# KiCad board FPGA_dev_board.kicad_pcb (continued)
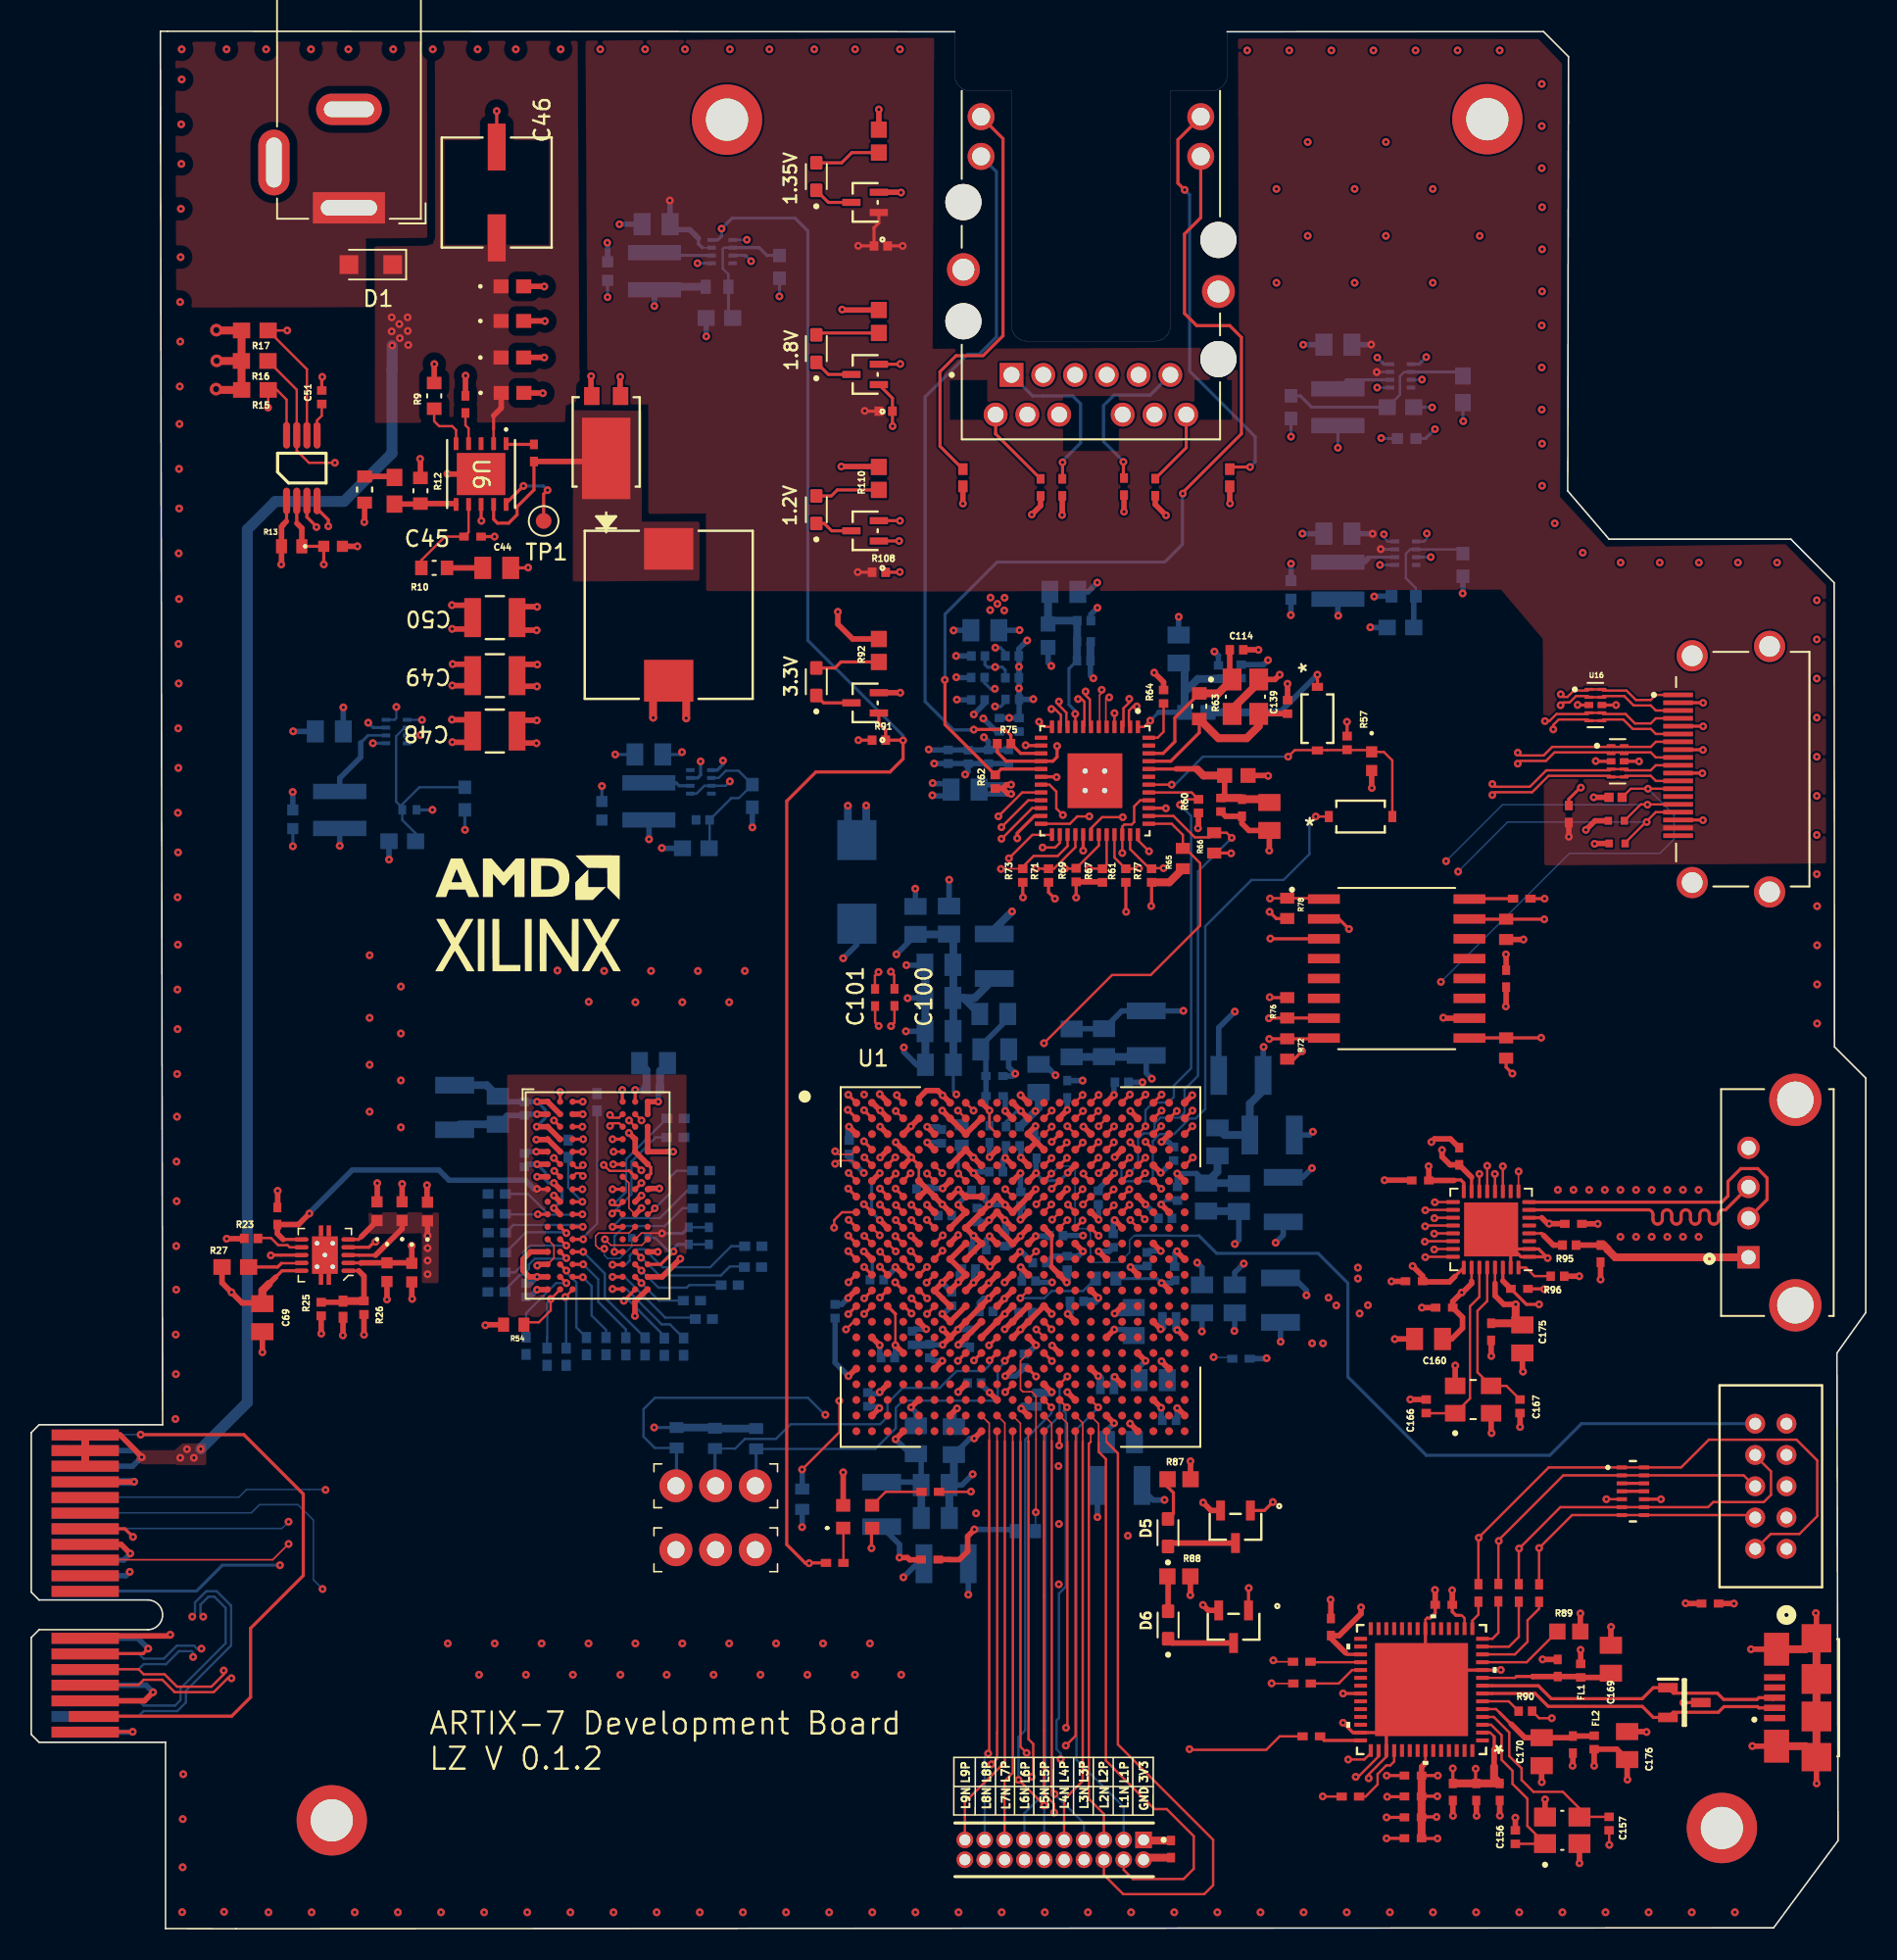
[diagram p0: board, top side]
## Routing (per net, layer and track width the routed paths; a pad name or vN(x,y) marks a point on that pad's centre or on a via; arc(x,y) is an arc through that point) (continued)
DDR3_CKE: length 60.9
  Top w0.15: v1(54.29,43.28) 54.77,42.81 U1.L3 ; v1(39.88,46.06) 39.5,45.68 U9.K9
  In4_VCC.Cu w0.15: v1(54.29,43.28) 54.58,43
  In5.Cu w0.1: v1(54.29,43.28) 53.86,43.72 52.89,43.72 52.74,43.57 52.74,42.88 52.51,42.65 52.06,42.65 51.41,43.3 51.41,44.2 50.89,44.72 arc(50.77,44.77) 50.64,44.72 50.4,44.48 arc(50.28,44.43) 50.16,44.48 arc(50.1,44.6) 50.16,44.73 50.81,45.38 arc(50.86,45.51) 50.81,45.63 arc(50.69,45.68) 50.56,45.63 49.8,44.87 arc(49.68,44.82) 49.56,44.87 arc(49.5,44.99) 49.56,45.12 50.32,45.88 arc(50.37,46) 50.32,46.13 arc(50.19,46.18) 50.07,46.13 49.31,45.36 arc(49.18,45.31) 49.06,45.36 arc(49.01,45.49) 49.06,45.61 49.82,46.37 arc(49.87,46.5) 49.82,46.62 arc(49.7,46.67) 49.57,46.62 48.81,45.86 arc(48.69,45.81) 48.57,45.86 arc(48.51,45.98) 48.57,46.11 49.33,46.87 arc(49.38,46.99) 49.33,47.12 arc(49.2,47.17) 49.08,47.12 48.32,46.35 arc(48.19,46.3) 48.07,46.35 arc(48.02,46.48) 48.07,46.6 48.83,47.36 arc(48.88,47.49) 48.83,47.61 arc(48.71,47.66) 48.58,47.61 47.82,46.85 arc(47.7,46.8) 47.58,46.85 arc(47.52,46.97) 47.58,47.1 48.34,47.86 arc(48.39,47.98) 48.34,48.11 arc(48.21,48.16) 48.09,48.11 47.33,47.34 arc(47.2,47.29) 47.08,47.34 arc(47.03,47.47) 47.08,47.59 47.84,48.35 arc(47.89,48.48) 47.84,48.6 arc(47.72,48.65) 47.59,48.6 46.83,47.84 arc(46.71,47.79) 46.59,47.84 arc(46.53,47.96) 46.59,48.09 47.35,48.85 arc(47.4,48.97) 47.35,49.1 arc(47.22,49.15) 47.1,49.1 46.93,48.93 arc(46.83,48.88) 46.72,48.9 46.4,49.21 46.38,49.21 46.38,49.21 46.01,49.21 arc(45.92,49.28) 45.89,49.38 45.89,49.52 arc(45.83,49.65) 45.71,49.7 arc(45.59,49.65) 45.53,49.52 45.53,48.55 arc(45.48,48.42) 45.36,48.37 arc(45.24,48.42) 45.19,48.55 45.19,49.52 arc(45.13,49.65) 45.01,49.7 arc(44.89,49.65) 44.83,49.52 44.83,48.55 arc(44.78,48.42) 44.66,48.37 arc(44.54,48.42) 44.48,48.55 44.48,49.52 arc(44.43,49.65) 44.31,49.7 arc(44.19,49.65) 44.14,49.52 44.14,48.55 arc(44.08,48.42) 43.96,48.37 arc(43.84,48.42) 43.78,48.55 43.78,49.52 arc(43.73,49.65) 43.61,49.7 arc(43.49,49.65) 43.44,49.52 43.44,48.55 arc(43.38,48.42) 43.26,48.37 arc(43.14,48.42) 43.08,48.55 43.08,49.52 arc(43.03,49.65) 42.91,49.7 arc(42.79,49.65) 42.73,49.52 42.73,48.55 arc(42.68,48.42) 42.56,48.37 arc(42.44,48.42) 42.39,48.55 42.39,49.52 arc(42.33,49.65) 42.21,49.7 arc(42.09,49.65) 42.03,49.52 42.03,48.55 arc(41.98,48.42) 41.86,48.37 arc(41.74,48.42) 41.69,48.55 41.69,49.03 arc(41.63,49.16) 41.51,49.21 40.91,49.21 39.77,48.07 39.77,46.17 v1(39.88,46.06)
  Bottom w0.15: v1(39.88,46.06) 40.86,47.04 40.86,48.05 41.28,48.47 R47.2
DDR3_CS: length 5
  Top w0.2: U9.L2 v1(34.22,44.48)
  Bottom w0.15: v1(34.22,44.48) 34.17,44.53 31.63,44.53 R49.2
DDR3_DQ0: length 37.1
  Top w0.2: U9.E3 v1(35.28,49.68) ; 54.8,46.8 v1(54.28,47.32)
  In2.Cu w0.1: v1(35.28,49.68) 36.2,49.68 36.6,50.08 41.64,50.08 42.24,49.48 42.24,46.7 42.28,46.66 arc(42.41,46.6) 42.53,46.66 42.53,46.65 42.85,46.97 arc(42.97,47.02) 43.1,46.97 arc(43.15,46.85) 43.1,46.73 42.32,45.95 arc(42.27,45.82) 42.32,45.7 arc(42.44,45.65) 42.57,45.7 43.66,46.8 arc(43.79,46.85) 43.91,46.8 arc(43.96,46.67) 43.91,46.55 43.27,45.91 arc(43.22,45.79) 43.27,45.67 43.44,45.5 43.84,45.5 arc(43.96,45.45) 44.02,45.32 44.02,45.28 arc(44.07,45.15) 44.19,45.1 arc(44.31,45.15) 44.36,45.28 44.36,45.78 arc(44.42,45.9) 44.54,45.95 arc(44.66,45.9) 44.72,45.78 44.72,45.28 arc(44.77,45.15) 44.89,45.1 arc(45.01,45.15) 45.06,45.28 45.06,45.78 arc(45.12,45.9) 45.24,45.95 arc(45.36,45.9) 45.42,45.78 45.42,45.28 arc(45.47,45.15) 45.59,45.1 arc(45.71,45.15) 45.77,45.28 45.77,45.78 arc(45.82,45.9) 45.94,45.95 arc(46.06,45.9) 46.11,45.78 46.11,45.28 arc(46.17,45.15) 46.29,45.1 arc(46.41,45.15) 46.47,45.28 46.47,45.78 arc(46.52,45.9) 46.64,45.95 arc(46.76,45.9) 46.81,45.78 46.81,45.28 arc(46.87,45.15) 46.99,45.1 arc(47.11,45.15) 47.17,45.28 47.17,45.78 arc(47.22,45.9) 47.34,45.95 arc(47.46,45.9) 47.52,45.78 47.52,45.28 arc(47.57,45.15) 47.69,45.1 arc(47.81,45.15) 47.86,45.28 47.86,45.32 arc(47.92,45.45) 48.04,45.5 48.29,45.5 49.66,46.87 52.98,46.87 53.43,47.32 v1(54.28,47.32)
DDR3_DQ1: length 37.1
  Top w0.2: v1(37.22,48.88) U9.F7 ; 56.82,44.78 v1(56.29,45.31)
  In2.Cu w0.1: v1(37.22,48.88) 36.85,49.25 34.99,49.25 34.63,48.89 34.63,48.13 35.08,47.68 35.67,47.68 36.75,46.6 36.75,44.59 38.05,43.29 38.05,40.79 40.59,38.25 47.53,38.25 52.16,42.88 53.29,42.88 arc(53.36,42.85) 53.39,42.78 arc(53.42,42.71) 53.49,42.68 53.59,42.68 arc(53.66,42.71) 53.69,42.78 arc(53.72,42.85) 53.79,42.88 54.51,42.88 54.8,43.17 54.8,43.54 55.05,43.79 55.42,43.79 55.75,44.12 55.75,44.77 v1(56.29,45.31)
DDR3_DQ2: length 37.2
  Top w0.2: 55.8,46.8 v1(55.28,47.32) ; U9.F2 v1(33.42,49.28)
  In2.Cu w0.1: v1(55.28,47.32) 55.27,47.32 54.81,47.78 54.81,48.54 55.07,48.8 55.42,48.8 55.84,49.22 55.84,53.53 52.98,56.39 37.45,56.39 32.86,51.8 32.86,49.84 v1(33.42,49.28)
DDR3_DQ3: length 37.2
  Top w0.2: 52.8,44.8 v1(52.28,45.32) ; 38.62,48.89 v1(39.02,48.49)
  In2.Cu w0.1: v1(39.02,48.49) 39.71,47.8 39.71,47.05 40.39,46.37 40.39,45.25 39.94,44.8 39.94,44.14 40.67,43.41 40.67,42.74 40.75,42.66 arc(40.79,42.55) 40.75,42.45 40.04,41.74 arc(40,41.63) 40.04,41.53 arc(40.15,41.48) 40.26,41.53 40.96,42.24 arc(41.07,42.28) 41.17,42.24 arc(41.22,42.13) 41.17,42.02 40.47,41.32 arc(40.42,41.21) 40.47,41.1 arc(40.57,41.06) 40.68,41.1 41.39,41.81 arc(41.49,41.86) 41.6,41.81 arc(41.64,41.71) 41.6,41.6 40.89,40.89 arc(40.85,40.79) 40.89,40.68 arc(41,40.64) 41.1,40.68 41.81,41.39 arc(41.92,41.43) 42.02,41.39 arc(42.07,41.28) 42.02,41.18 41.32,40.47 arc(41.27,40.36) 41.32,40.26 arc(41.42,40.21) 41.53,40.26 42.23,40.96 arc(42.34,41.01) 42.45,40.96 arc(42.49,40.86) 42.45,40.75 41.74,40.04 arc(41.7,39.94) 41.74,39.83 arc(41.85,39.79) 41.95,39.83 42.66,40.54 arc(42.77,40.58) 42.87,40.54 43.27,40.14 43.29,40.14 arc(43.41,40.09) 43.47,39.97 43.47,39.75 arc(43.52,39.62) 43.64,39.57 arc(43.76,39.62) 43.81,39.75 43.81,39.97 arc(43.87,40.09) 43.99,40.14 arc(44.11,40.09) 44.17,39.97 44.17,39.75 arc(44.22,39.62) 44.34,39.57 arc(44.46,39.62) 44.52,39.75 44.52,39.97 arc(44.57,40.09) 44.69,40.14 arc(44.81,40.09) 44.86,39.97 44.86,39.75 arc(44.92,39.62) 45.04,39.57 arc(45.16,39.62) 45.22,39.75 45.22,39.97 arc(45.27,40.09) 45.39,40.14 46.07,40.14 51.25,45.32 v1(52.28,45.32)
DDR3_DQ4: length 37.2
  Top w0.2: 56.82,45.76 v1(56.29,46.28) ; v1(35.25,47.28) 34.58,47.28
  In2.Cu w0.1: v1(56.29,46.28) 56.75,45.83 56.75,44.13 56.45,43.83 55.98,43.83 55.78,43.63 55.78,43.01 55.56,42.79 54.94,42.79 54.75,42.6 54.75,42.12 54.54,41.91 51.81,41.91 50.65,40.75 arc(50.61,40.73) 50.56,40.75 arc(50.52,40.77) 50.47,40.75 50.25,40.53 arc(50.23,40.49) 50.25,40.44 50.44,40.26 arc(50.5,40.11) 50.44,39.97 arc(50.3,39.91) 50.15,39.97 49.97,40.16 arc(49.92,40.18) 49.87,40.16 49.68,39.97 arc(49.66,39.93) 49.68,39.88 49.87,39.69 arc(49.93,39.55) 49.87,39.41 49.87,39.41 arc(49.73,39.35) 49.59,39.41 arc(49.45,39.47) 49.31,39.41 47.63,37.73 39.5,37.73 36.21,41.02 36.21,46.32 v1(35.25,47.28)
DDR3_DQ5: length 37.2
  Top w0.2: U9.H8 v1(39.03,47.68) ; 52.78,43.8 v1(52.25,44.32)
  In2.Cu w0.1: v1(39.03,47.68) 39.42,47.28 39.42,40.54 40.67,39.3 46.37,39.3 46.47,39.4 arc(46.59,39.45) 46.71,39.4 46.78,39.33 arc(46.9,39.28) 47.03,39.33 arc(47.08,39.45) 47.03,39.58 46.65,39.96 arc(46.59,40.08) 46.65,40.2 arc(46.77,40.26) 46.89,40.2 47.27,39.82 arc(47.4,39.77) 47.52,39.82 arc(47.57,39.95) 47.52,40.07 47.14,40.45 arc(47.09,40.58) 47.14,40.7 arc(47.26,40.75) 47.39,40.7 47.77,40.32 arc(47.89,40.27) 48.02,40.32 arc(48.07,40.44) 48.02,40.57 47.64,40.95 arc(47.58,41.07) 47.64,41.19 arc(47.76,41.25) 47.88,41.19 48.26,40.81 arc(48.39,40.76) 48.51,40.81 arc(48.56,40.94) 48.51,41.06 48.13,41.44 arc(48.08,41.57) 48.13,41.69 arc(48.25,41.74) 48.38,41.69 48.76,41.31 arc(48.88,41.26) 49.01,41.31 arc(49.06,41.43) 49.01,41.56 48.63,41.94 arc(48.57,42.06) 48.63,42.18 arc(48.75,42.24) 48.87,42.18 49.25,41.8 arc(49.38,41.75) 49.5,41.8 arc(49.55,41.93) 49.5,42.05 49.12,42.43 arc(49.07,42.56) 49.12,42.68 arc(49.24,42.73) 49.37,42.68 49.75,42.3 arc(49.87,42.25) 50,42.3 arc(50.05,42.42) 50,42.55 49.62,42.93 arc(49.56,43.05) 49.62,43.17 arc(49.74,43.23) 49.86,43.17 50.24,42.79 arc(50.37,42.74) 50.49,42.79 arc(50.54,42.92) 50.49,43.04 50.11,43.42 arc(50.06,43.55) 50.11,43.67 arc(50.23,43.72) 50.36,43.67 50.74,43.29 arc(50.86,43.24) 50.99,43.29 arc(51.04,43.41) 50.99,43.54 50.61,43.92 arc(50.55,44.04) 50.61,44.16 arc(50.73,44.22) 50.85,44.16 50.92,44.1 arc(51.04,44.05) 51.17,44.1 51.39,44.32 v1(52.25,44.32)
DDR3_DQ6: length 42.6
  Top w0.2: 55.83,45.75 v1(55.3,46.27) ; 33.85,48.06 v1(33.45,48.45)
  In2.Cu w0.1: v1(33.45,48.45) 33.45,48.45 33.91,48 33.91,46.7 34.53,46.08 35.47,46.08 35.91,45.64 35.91,40.68 39.34,37.25 48.12,37.25 50.87,40 50.87,40.45 51.36,40.94 54.08,40.94 55.03,41.89 55.64,41.89 55.78,42.03 55.78,42.45 56.11,42.78 56.52,42.78 56.81,43.07 56.8,43.08 56.8,43.54 57.81,44.55 57.81,46.49 57.51,46.79 55.81,46.79 55.3,46.28 v1(55.3,46.27)
DDR3_DQ7: length 37.2
  Top w0.2: 54.8,45.77 v1(54.28,46.3) ; v1(37.17,47.28) U9.H7
  In2.Cu w0.1: v1(37.17,47.28) 37.79,47.28 38.62,46.44 38.62,43.56 38.46,43.4 38.46,40.98 40.68,38.76 46.78,38.76 arc(46.94,38.83) 47.1,38.76 47.25,38.61 arc(47.41,38.54) 47.57,38.61 arc(47.64,38.76) 47.57,38.92 47.42,39.08 arc(47.35,39.24) 47.42,39.4 arc(47.58,39.46) 47.73,39.4 47.89,39.24 arc(48.05,39.18) 48.21,39.24 arc(48.27,39.4) 48.21,39.56 48.05,39.71 arc(47.99,39.87) 48.05,40.03 arc(48.21,40.1) 48.37,40.03 48.53,39.88 arc(48.68,39.81) 48.84,39.88 arc(48.91,40.04) 48.84,40.2 48.69,40.35 arc(48.62,40.51) 48.69,40.67 arc(48.85,40.74) 49.01,40.67 49.16,40.51 arc(49.32,40.45) 49.48,40.51 arc(49.55,40.67) 49.48,40.83 49.33,40.99 arc(49.26,41.15) 49.33,41.31 arc(49.48,41.37) 49.64,41.31 49.8,41.15 arc(49.96,41.08) 50.12,41.15 arc(50.18,41.31) 50.12,41.47 49.96,41.62 arc(49.9,41.78) 49.96,41.94 arc(50.12,42.01) 50.28,41.94 50.43,41.79 arc(50.59,41.72) 50.75,41.79 arc(50.82,41.95) 50.75,42.11 50.6,42.26 arc(50.53,42.42) 50.6,42.58 arc(50.76,42.64) 50.92,42.58 51.07,42.42 arc(51.23,42.36) 51.39,42.42 arc(51.46,42.58) 51.39,42.74 51.23,42.9 arc(51.17,43.06) 51.23,43.21 51.83,43.81 54.38,43.81 54.78,44.2 54.78,45.8 v1(54.28,46.3)
DDR3_DQ8: length 37.2
  Top w0.2: 52.78,46.8 v1(52.25,47.32) ; U9.D7 v1(37.17,50.48)
  In2.Cu w0.1: v1(37.17,50.48) 37.82,50.48 37.9,50.4 41.81,50.4 42.9,49.31 42.9,48.52 42.97,48.45 arc(43.09,48.4) 43.21,48.46 43.21,48.45 43.67,48.91 arc(43.79,48.96) 43.92,48.91 arc(43.97,48.79) 43.92,48.66 42.79,47.54 arc(42.74,47.41) 42.79,47.29 arc(42.91,47.24) 43.04,47.29 44.16,48.42 arc(44.29,48.47) 44.41,48.42 arc(44.46,48.29) 44.41,48.17 43.95,47.71 arc(43.9,47.59) 43.95,47.47 44.1,47.32 44.5,47.32 arc(44.62,47.27) 44.67,47.15 44.67,46.25 arc(44.72,46.13) 44.85,46.08 arc(44.97,46.13) 45.02,46.25 45.02,47.54 arc(45.07,47.67) 45.2,47.72 arc(45.32,47.67) 45.37,47.54 45.37,46.25 arc(45.42,46.13) 45.55,46.08 arc(45.67,46.13) 45.72,46.25 45.72,47.15 arc(45.77,47.27) 45.9,47.32 arc(46.02,47.27) 46.07,47.15 46.07,46.25 arc(46.12,46.13) 46.25,46.08 arc(46.37,46.13) 46.42,46.25 46.42,47.15 arc(46.47,47.27) 46.6,47.32 arc(46.72,47.27) 46.77,47.15 46.77,46.25 arc(46.82,46.13) 46.95,46.08 arc(47.07,46.13) 47.12,46.25 47.12,47.15 arc(47.17,47.27) 47.3,47.32 arc(47.42,47.27) 47.47,47.15 47.47,46.25 arc(47.52,46.13) 47.65,46.08 arc(47.77,46.13) 47.82,46.25 47.82,47.15 arc(47.87,47.27) 48,47.32 arc(48.12,47.27) 48.17,47.15 48.17,46.4 arc(48.22,46.28) 48.35,46.23 arc(48.47,46.28) 48.52,46.4 48.52,47.15 arc(48.57,47.27) 48.7,47.32 v1(52.25,47.32)
DDR3_DQ9: length 37.2
  Top w0.2: 34.6,51.28 v1(35.25,51.28) ; U1.B1 v1(52.22,52.35)
  In2.Cu w0.1: v1(35.25,51.28) 37.08,53.11 38.74,53.11 39.68,54.05 arc(39.8,54) 39.86,53.88 39.86,53.56 arc(39.91,53.43) 40.03,53.38 arc(40.15,53.43) 40.2,53.56 40.2,53.88 arc(40.26,54) 40.38,54.05 arc(40.5,54) 40.55,53.88 40.55,53.51 arc(40.61,53.38) 40.73,53.33 arc(40.85,53.38) 40.91,53.51 40.91,53.88 arc(40.96,54) 41.08,54.05 arc(41.2,54) 41.25,53.88 41.25,53.51 arc(41.31,53.38) 41.43,53.33 arc(41.55,53.38) 41.61,53.51 41.61,53.88 arc(41.66,54) 41.78,54.05 arc(41.9,54) 41.95,53.88 41.95,53.51 arc(42.01,53.38) 42.13,53.33 arc(42.25,53.38) 42.3,53.51 42.3,53.88 arc(42.36,54) 42.48,54.05 arc(42.6,54) 42.66,53.88 42.66,53.51 arc(42.71,53.38) 42.83,53.33 arc(42.95,53.38) 43,53.51 43,53.88 arc(43.06,54) 43.18,54.05 arc(43.3,54) 43.36,53.88 43.36,53.51 arc(43.41,53.38) 43.53,53.33 arc(43.65,53.38) 43.7,53.51 43.7,53.88 arc(43.76,54) 43.88,54.05 arc(44,54) 44.05,53.88 44.05,53.51 arc(44.11,53.38) 44.23,53.33 arc(44.35,53.38) 44.41,53.51 44.41,53.88 arc(44.46,54) 44.58,54.05 arc(44.7,54) 44.75,53.88 44.75,53.51 arc(44.81,53.38) 44.93,53.33 arc(45.05,53.38) 45.11,53.51 45.11,53.88 arc(45.16,54) 45.28,54.05 arc(45.4,54) 45.45,53.88 45.45,53.51 arc(45.51,53.38) 45.63,53.33 arc(45.75,53.38) 45.8,53.51 45.8,53.88 arc(45.86,54) 45.98,54.05 arc(46.1,54) 46.16,53.88 46.16,53.51 arc(46.21,53.38) 46.33,53.33 arc(46.45,53.38) 46.5,53.51 46.5,53.88 arc(46.56,54) 46.68,54.05 arc(46.8,54) 46.86,53.88 46.86,53.51 arc(46.91,53.38) 47.03,53.33 arc(47.15,53.38) 47.2,53.51 47.2,53.88 arc(47.26,54) 47.38,54.05 arc(47.5,54) 47.55,53.88 47.55,53.51 arc(47.61,53.38) 47.73,53.33 arc(47.85,53.38) 47.91,53.51 47.91,53.88 arc(47.96,54) 48.08,54.05 arc(48.2,54) 48.25,53.88 48.25,53.51 arc(48.31,53.38) 48.43,53.33 arc(48.55,53.38) 48.61,53.51 48.61,53.88 arc(48.66,54) 48.78,54.05 arc(48.9,54) 48.95,53.88 48.95,52.96 arc(49.01,52.83) 49.13,52.78 arc(49.25,52.83) 49.3,52.96 49.3,53.88 arc(49.36,54) 49.48,54.05 49.62,54.05 51.31,52.35 v1(52.22,52.35)
DDR3_DQ10: length 37.2
  Top w0.2: 53.78,49.82 v1(53.25,50.35) ; 33.83,51.28 v1(33.43,51.68)
  In2.Cu w0.1: v1(53.25,50.35) 53.25,51.2 52.65,51.81 50.77,51.81 arc(50.64,51.75) 50.59,51.63 50.59,51.25 arc(50.54,51.13) 50.42,51.08 arc(50.29,51.13) 50.24,51.25 50.24,51.63 arc(50.19,51.75) 50.06,51.81 49.67,51.81 49.51,51.96 arc(49.46,52.08) 49.51,52.21 50.2,52.9 arc(50.25,53.02) 50.2,53.15 arc(50.08,53.2) 49.95,53.15 49.26,52.45 arc(49.14,52.4) 49.02,52.45 48.45,53.02 48,53.02 arc(47.88,52.97) 47.83,52.84 47.83,52.57 arc(47.77,52.44) 47.65,52.39 arc(47.53,52.44) 47.47,52.57 47.47,52.84 arc(47.42,52.97) 47.3,53.02 arc(47.18,52.97) 47.12,52.84 47.12,52.57 arc(47.07,52.44) 46.95,52.39 arc(46.83,52.44) 46.78,52.57 46.78,52.84 arc(46.72,52.97) 46.6,53.02 arc(46.48,52.97) 46.42,52.84 46.42,52.57 arc(46.37,52.44) 46.25,52.39 arc(46.13,52.44) 46.08,52.57 46.08,52.84 arc(46.02,52.97) 45.9,53.02 arc(45.78,52.97) 45.72,52.84 45.72,52.57 arc(45.67,52.44) 45.55,52.39 arc(45.43,52.44) 45.38,52.57 45.38,52.84 arc(45.32,52.97) 45.2,53.02 arc(45.08,52.97) 45.03,52.84 45.03,52.57 arc(44.97,52.44) 44.85,52.39 arc(44.73,52.44) 44.67,52.57 44.67,52.84 arc(44.62,52.97) 44.5,53.02 arc(44.38,52.97) 44.33,52.84 44.33,52.57 arc(44.27,52.44) 44.15,52.39 arc(44.03,52.44) 43.97,52.57 43.97,52.84 arc(43.92,52.97) 43.8,53.02 arc(43.68,52.97) 43.62,52.84 43.62,52.57 arc(43.57,52.44) 43.45,52.39 arc(43.33,52.44) 43.28,52.57 43.28,52.84 arc(43.22,52.97) 43.1,53.02 arc(42.98,52.97) 42.92,52.84 42.92,52.57 arc(42.87,52.44) 42.75,52.39 arc(42.63,52.44) 42.58,52.57 42.58,52.84 arc(42.52,52.97) 42.4,53.02 arc(42.28,52.97) 42.22,52.84 42.22,52.57 arc(42.17,52.44) 42.05,52.39 arc(41.93,52.44) 41.88,52.57 41.88,52.84 arc(41.82,52.97) 41.7,53.02 arc(41.58,52.97) 41.53,52.84 41.53,52.57 arc(41.47,52.44) 41.35,52.39 arc(41.23,52.44) 41.17,52.57 41.17,52.84 arc(41.12,52.97) 41,53.02 40.81,53.02 40.27,52.48 37.97,52.48 37.96,52.49 36.91,52.49 36.24,51.82 36.24,51.59 35.53,50.88 34.23,50.88 v1(33.43,51.68)
DDR3_DQ11: length 38.3
  Top w0.1: U9.C8 38.62,51.28
  Top w0.15: 38.62,51.28 v1(38.23,51.68)
  Top w0.2: 54.73,48.79 v1(55.26,49.32)
  In2.Cu w0.1: 38.25,51.84 38.23,51.82 v1(38.23,51.68) 38.23,51.95 38.43,52.15 39.45,52.15 arc(39.57,52.1) 39.62,51.97 39.62,51.72 arc(39.68,51.6) 39.8,51.55 arc(39.92,51.6) 39.97,51.72 39.97,51.97 arc(40.03,52.1) 40.15,52.15 arc(40.27,52.1) 40.33,51.97 40.33,51.72 arc(40.38,51.6) 40.5,51.55 arc(40.62,51.6) 40.67,51.72 40.67,51.97 arc(40.73,52.1) 40.85,52.15 arc(40.97,52.1) 41.03,51.97 41.03,51.72 arc(41.08,51.6) 41.2,51.55 arc(41.32,51.6) 41.38,51.72 41.38,51.97 arc(41.43,52.1) 41.55,52.15 arc(41.67,52.1) 41.72,51.97 41.72,51.72 arc(41.78,51.6) 41.9,51.55 arc(42.02,51.6) 42.08,51.72 42.08,51.97 arc(42.13,52.1) 42.25,52.15 arc(42.37,52.1) 42.42,51.97 42.42,51.72 arc(42.48,51.6) 42.6,51.55 arc(42.72,51.6) 42.78,51.72 42.78,51.97 arc(42.83,52.1) 42.95,52.15 arc(43.07,52.1) 43.12,51.97 43.12,51.72 arc(43.18,51.6) 43.3,51.55 arc(43.42,51.6) 43.47,51.72 43.47,51.97 arc(43.53,52.1) 43.65,52.15 arc(43.77,52.1) 43.83,51.97 43.83,51.72 arc(43.88,51.6) 44,51.55 arc(44.12,51.6) 44.17,51.72 44.17,51.97 arc(44.23,52.1) 44.35,52.15 arc(44.47,52.1) 44.53,51.97 44.53,51.72 arc(44.58,51.6) 44.7,51.55 arc(44.82,51.6) 44.88,51.72 44.88,51.97 arc(44.93,52.1) 45.05,52.15 arc(45.17,52.1) 45.22,51.97 45.22,51.72 arc(45.28,51.6) 45.4,51.55 arc(45.52,51.6) 45.58,51.72 45.58,51.97 arc(45.63,52.1) 45.75,52.15 arc(45.87,52.1) 45.92,51.97 45.92,51.53 arc(45.98,51.4) 46.1,51.35 arc(46.22,51.4) 46.28,51.53 46.28,51.97 arc(46.33,52.1) 46.45,52.15 arc(46.57,52.1) 46.62,51.97 46.62,50.82 arc(46.68,50.7) 46.8,50.65 arc(46.92,50.7) 46.97,50.82 46.97,51.97 arc(47.03,52.1) 47.15,52.15 arc(47.27,52.1) 47.33,51.97 47.33,50.47 arc(47.38,50.35) 47.5,50.3 arc(47.62,50.35) 47.67,50.47 47.67,51.97 arc(47.73,52.1) 47.85,52.15 48.01,52.15 48.29,51.87 arc(48.34,51.74) 48.29,51.62 48.19,51.51 arc(48.14,51.39) 48.19,51.27 arc(48.31,51.21) 48.43,51.27 48.54,51.37 arc(48.66,51.42) 48.79,51.37 arc(48.84,51.25) 48.79,51.12 48.19,50.52 arc(48.14,50.4) 48.19,50.28 arc(48.31,50.22) 48.43,50.28 49.04,50.88 arc(49.16,50.93) 49.28,50.88 49.34,50.82 52.06,50.82 53.05,49.83 54.75,49.83 v1(55.26,49.32)
DDR3_DQ12: length 37.2
  Top w0.2: 37.8,52.88 v1(37.8,53.63) ; 53.79,51.81 v1(53.27,52.34)
  In2.Cu w0.1: v1(53.27,52.34) 52.68,52.92 51.93,52.92 51.5,53.35 51.5,54.1 50.61,54.99 50.07,54.99 arc(49.95,54.94) 49.89,54.81 49.89,54.43 arc(49.84,54.3) 49.72,54.25 arc(49.6,54.3) 49.55,54.43 49.55,54.81 arc(49.49,54.94) 49.37,54.99 arc(49.25,54.94) 49.19,54.81 49.19,54.48 arc(49.14,54.35) 49.02,54.3 arc(48.9,54.35) 48.84,54.48 48.84,54.81 arc(48.79,54.94) 48.67,54.99 arc(48.55,54.94) 48.5,54.81 48.5,54.48 arc(48.44,54.35) 48.32,54.3 arc(48.2,54.35) 48.14,54.48 48.14,54.81 arc(48.09,54.94) 47.97,54.99 arc(47.85,54.94) 47.8,54.81 47.8,54.48 arc(47.74,54.35) 47.62,54.3 arc(47.5,54.35) 47.44,54.48 47.44,54.81 arc(47.39,54.94) 47.27,54.99 arc(47.15,54.94) 47.09,54.81 47.09,54.48 arc(47.04,54.35) 46.92,54.3 arc(46.8,54.35) 46.75,54.48 46.75,54.81 arc(46.69,54.94) 46.57,54.99 arc(46.45,54.94) 46.39,54.81 46.39,54.48 arc(46.34,54.35) 46.22,54.3 arc(46.1,54.35) 46.05,54.48 46.05,54.81 arc(45.99,54.94) 45.87,54.99 arc(45.75,54.94) 45.69,54.81 45.69,54.48 arc(45.64,54.35) 45.52,54.3 arc(45.4,54.35) 45.34,54.48 45.34,54.81 arc(45.29,54.94) 45.17,54.99 arc(45.05,54.94) 45,54.81 45,54.48 arc(44.94,54.35) 44.82,54.3 arc(44.7,54.35) 44.64,54.48 44.64,54.81 arc(44.59,54.94) 44.47,54.99 arc(44.35,54.94) 44.3,54.81 44.3,54.48 arc(44.24,54.35) 44.12,54.3 arc(44,54.35) 43.94,54.48 43.94,54.81 arc(43.89,54.94) 43.77,54.99 arc(43.65,54.94) 43.59,54.81 43.59,54.48 arc(43.54,54.35) 43.42,54.3 arc(43.3,54.35) 43.25,54.48 43.25,54.81 arc(43.19,54.94) 43.07,54.99 arc(42.95,54.94) 42.89,54.81 42.89,54.48 arc(42.84,54.35) 42.72,54.3 arc(42.6,54.35) 42.55,54.48 42.55,54.81 arc(42.49,54.94) 42.37,54.99 arc(42.25,54.94) 42.19,54.81 42.19,54.48 arc(42.14,54.35) 42.02,54.3 arc(41.9,54.35) 41.84,54.48 41.84,54.81 arc(41.79,54.94) 41.67,54.99 arc(41.55,54.94) 41.5,54.81 41.5,54.48 arc(41.44,54.35) 41.32,54.3 arc(41.2,54.35) 41.14,54.48 41.14,54.81 arc(41.09,54.94) 40.97,54.99 arc(40.85,54.94) 40.8,54.81 40.8,54.48 arc(40.74,54.35) 40.62,54.3 arc(40.5,54.35) 40.44,54.48 40.44,54.81 arc(40.39,54.94) 40.27,54.99 arc(40.15,54.94) 40.09,54.81 40.09,54.48 arc(40.04,54.35) 39.92,54.3 arc(39.8,54.35) 39.75,54.48 39.75,54.81 arc(39.69,54.94) 39.57,54.99 arc(39.45,54.94) 39.39,54.81 39.39,54.18 arc(39.34,54.05) 39.22,54 arc(39.1,54.05) 39.05,54.18 39.05,54.81 arc(38.99,54.94) 38.87,54.99 38.76,54.99 37.8,54.03 v1(37.8,53.63)
DDR3_DQ13: length 36.7
  Top w0.2: U1.F3 54.82,47.81 v1(55.29,48.28) 55.29,48.21 ; 33.83,52.85 v1(33.83,53.5)
  In2.Cu w0.1: v1(55.29,48.28) 55.77,48.76 56.45,48.76 56.72,49.03 56.72,53.45 53.11,57.06 36.68,57.06 34.68,55.05 33.89,55.84 33.85,55.88 33.73,55.94 33.61,55.96 33.48,55.94 33.37,55.88 33.33,55.84 33.28,55.79 33.23,55.68 33.21,55.55 33.23,55.43 33.28,55.32 33.33,55.27 34.11,54.49 34.15,54.44 34.21,54.33 34.23,54.2 34.21,54.08 34.15,53.97 34.11,53.92 33.83,53.63 v1(33.83,53.5)
  In2.Cu w0.2: v1(33.83,53.5) 33.83,53.6
DDR3_DQ14: length 37.2
  Top w0.1: U9.B8 38.63,52.08
  Top w0.15: 38.63,52.08 v1(39.03,51.68) ; U1.E2 53.77,48.76
  Top w0.2: 53.76,48.84 v1(53.29,49.32)
  In2.Cu w0.1: v1(53.29,49.32) 52.93,49.32 52.08,50.17 51.21,50.17 51.01,49.97 arc(50.89,49.92) 50.77,49.97 50.56,50.18 arc(50.44,50.23) 50.32,50.18 arc(50.26,50.06) 50.32,49.93 50.52,49.73 arc(50.57,49.6) 50.52,49.48 50.03,49.48 arc(49.91,49.43) 49.86,49.31 49.86,49.02 arc(49.8,48.89) 49.68,48.84 arc(49.56,48.89) 49.5,49.02 49.5,49.94 arc(49.45,50.07) 49.33,50.12 arc(49.21,50.07) 49.16,49.94 49.16,49.02 arc(49.1,48.89) 48.98,48.84 arc(48.86,48.89) 48.8,49.02 48.8,49.89 arc(48.75,50.02) 48.63,50.07 arc(48.51,50.02) 48.45,49.89 48.45,49.02 arc(48.4,48.89) 48.28,48.84 arc(48.16,48.89) 48.11,49.02 48.11,49.94 arc(48.05,50.07) 47.93,50.12 arc(47.81,50.07) 47.75,49.94 47.75,49.02 arc(47.7,48.89) 47.58,48.84 arc(47.46,48.89) 47.41,49.02 47.41,49.94 arc(47.35,50.07) 47.23,50.12 arc(47.11,50.07) 47.05,49.94 47.05,49.02 arc(47,48.89) 46.88,48.84 arc(46.76,48.89) 46.7,49.02 46.7,49.94 arc(46.65,50.07) 46.53,50.12 arc(46.41,50.07) 46.36,49.94 46.36,49.02 arc(46.3,48.89) 46.18,48.84 arc(46.06,48.89) 46,49.02 46,49.94 arc(45.95,50.07) 45.83,50.12 arc(45.71,50.07) 45.66,49.94 45.66,49.02 arc(45.6,48.89) 45.48,48.84 arc(45.36,48.89) 45.3,49.02 45.3,49.94 arc(45.25,50.07) 45.13,50.12 arc(45.01,50.07) 44.95,49.94 44.95,49.66 arc(44.9,49.53) 44.78,49.48 44.38,49.48 44.18,49.68 arc(44.13,49.8) 44.18,49.92 44.39,50.13 arc(44.44,50.25) 44.39,50.37 arc(44.27,50.43) 44.14,50.37 43.75,49.98 arc(43.68,49.95) 43.62,49.98 43.5,50.1 arc(43.47,50.16) 43.5,50.23 43.89,50.62 arc(43.95,50.75) 43.89,50.87 arc(43.77,50.92) 43.65,50.87 43.25,50.48 arc(43.19,50.45) 43.12,50.48 43.01,50.59 arc(42.98,50.66) 43.01,50.72 43.33,51.05 arc(43.38,51.17) 43.33,51.29 arc(43.2,51.34) 43.08,51.29 42.95,51.16 arc(42.82,51.11) 42.7,51.16 39.55,51.16 v1(39.03,51.68)
DDR3_DQ15: length 37.2
  Top w0.2: U1.A1 52.77,52.81 ; U9.A3 v1(35.28,52.88) ; 52.78,52.8 v1(52.25,53.32)
  In2.Cu w0.1: v1(52.25,53.32) 52.25,54.96 51.2,56.01 50.02,56.01 arc(49.86,55.94) 49.8,55.78 49.8,55.46 arc(49.73,55.3) 49.57,55.24 arc(49.41,55.3) 49.34,55.46 49.34,55.78 arc(49.28,55.94) 49.12,56.01 arc(48.96,55.94) 48.89,55.78 48.89,55.46 arc(48.83,55.3) 48.67,55.24 arc(48.51,55.3) 48.44,55.46 48.44,55.78 arc(48.38,55.94) 48.22,56.01 arc(48.06,55.94) 48,55.78 48,55.46 arc(47.93,55.3) 47.77,55.24 arc(47.61,55.3) 47.55,55.46 47.55,55.78 arc(47.48,55.94) 47.32,56.01 arc(47.16,55.94) 47.09,55.78 47.09,55.46 arc(47.03,55.3) 46.87,55.24 arc(46.71,55.3) 46.64,55.46 46.64,55.78 arc(46.58,55.94) 46.42,56.01 arc(46.26,55.94) 46.19,55.78 46.19,55.46 arc(46.13,55.3) 45.97,55.24 arc(45.81,55.3) 45.75,55.46 45.75,55.78 arc(45.68,55.94) 45.52,56.01 arc(45.36,55.94) 45.3,55.78 45.3,55.46 arc(45.23,55.3) 45.07,55.24 arc(44.91,55.3) 44.84,55.46 44.84,55.78 arc(44.78,55.94) 44.62,56.01 arc(44.46,55.94) 44.39,55.78 44.39,55.46 arc(44.33,55.3) 44.17,55.24 arc(44.01,55.3) 43.94,55.46 43.94,55.78 arc(43.88,55.94) 43.72,56.01 arc(43.56,55.94) 43.5,55.78 43.5,55.46 arc(43.43,55.3) 43.27,55.24 arc(43.11,55.3) 43.05,55.46 43.05,55.78 arc(42.98,55.94) 42.82,56.01 arc(42.66,55.94) 42.59,55.78 42.59,55.46 arc(42.53,55.3) 42.37,55.24 arc(42.21,55.3) 42.14,55.46 42.14,55.78 arc(42.08,55.94) 41.92,56.01 arc(41.76,55.94) 41.69,55.78 41.69,55.46 arc(41.63,55.3) 41.47,55.24 arc(41.31,55.3) 41.25,55.46 41.25,55.78 arc(41.18,55.94) 41.02,56.01 arc(40.86,55.94) 40.8,55.78 40.8,55.46 arc(40.73,55.3) 40.57,55.24 arc(40.41,55.3) 40.34,55.46 40.34,55.78 arc(40.28,55.94) 40.12,56.01 arc(39.96,55.94) 39.89,55.78 39.89,55.46 arc(39.83,55.3) 39.67,55.24 arc(39.51,55.3) 39.44,55.46 39.44,55.78 arc(39.38,55.94) 39.22,56.01 arc(39.06,55.94) 39,55.78 39,55.46 arc(38.93,55.3) 38.77,55.24 arc(38.61,55.3) 38.55,55.46 38.55,55.78 arc(38.48,55.94) 38.32,56.01 38.21,56.01 36.05,53.85 36.05,53.32 35.61,52.88 v1(35.28,52.88)
DDR3_LDM: length 37.2
  Top w0.15: v1(37.24,49.68) U9.E7
  Top w0.2: 53.78,45.8 v1(53.25,46.32)
  In2.Cu w0.1: v1(37.24,49.68) 37.6,49.68 37.67,49.75 40.42,49.75 41.83,48.34 41.83,45.89 42.85,44.87 43.02,44.87 arc(43.14,44.82) 43.19,44.69 43.19,43.78 arc(43.25,43.66) 43.37,43.61 arc(43.49,43.66) 43.55,43.78 43.55,44.69 arc(43.6,44.82) 43.72,44.87 arc(43.84,44.82) 43.89,44.69 43.89,43.78 arc(43.95,43.66) 44.07,43.61 arc(44.19,43.66) 44.25,43.78 44.25,44.69 arc(44.3,44.82) 44.42,44.87 arc(44.54,44.82) 44.59,44.69 44.59,43.78 arc(44.65,43.66) 44.77,43.61 arc(44.89,43.66) 44.94,43.78 44.94,44.69 arc(45,44.82) 45.12,44.87 arc(45.24,44.82) 45.3,44.69 45.3,43.78 arc(45.35,43.66) 45.47,43.61 arc(45.59,43.66) 45.64,43.78 45.64,44.69 arc(45.7,44.82) 45.82,44.87 arc(45.94,44.82) 46,44.69 46,43.78 arc(46.05,43.66) 46.17,43.61 arc(46.29,43.66) 46.34,43.78 46.34,44.69 arc(46.4,44.82) 46.52,44.87 arc(46.64,44.82) 46.69,44.69 46.69,43.78 arc(46.75,43.66) 46.87,43.61 arc(46.99,43.66) 47.05,43.78 47.05,44.69 arc(47.1,44.82) 47.22,44.87 arc(47.34,44.82) 47.39,44.69 47.39,43.78 arc(47.45,43.66) 47.57,43.61 arc(47.69,43.66) 47.75,43.78 47.75,44.69 arc(47.8,44.82) 47.92,44.87 48.34,44.87 49.98,46.51 53.07,46.51 v1(53.25,46.32)